# KiCad board forti GND v2.kicad_pcb (continued)
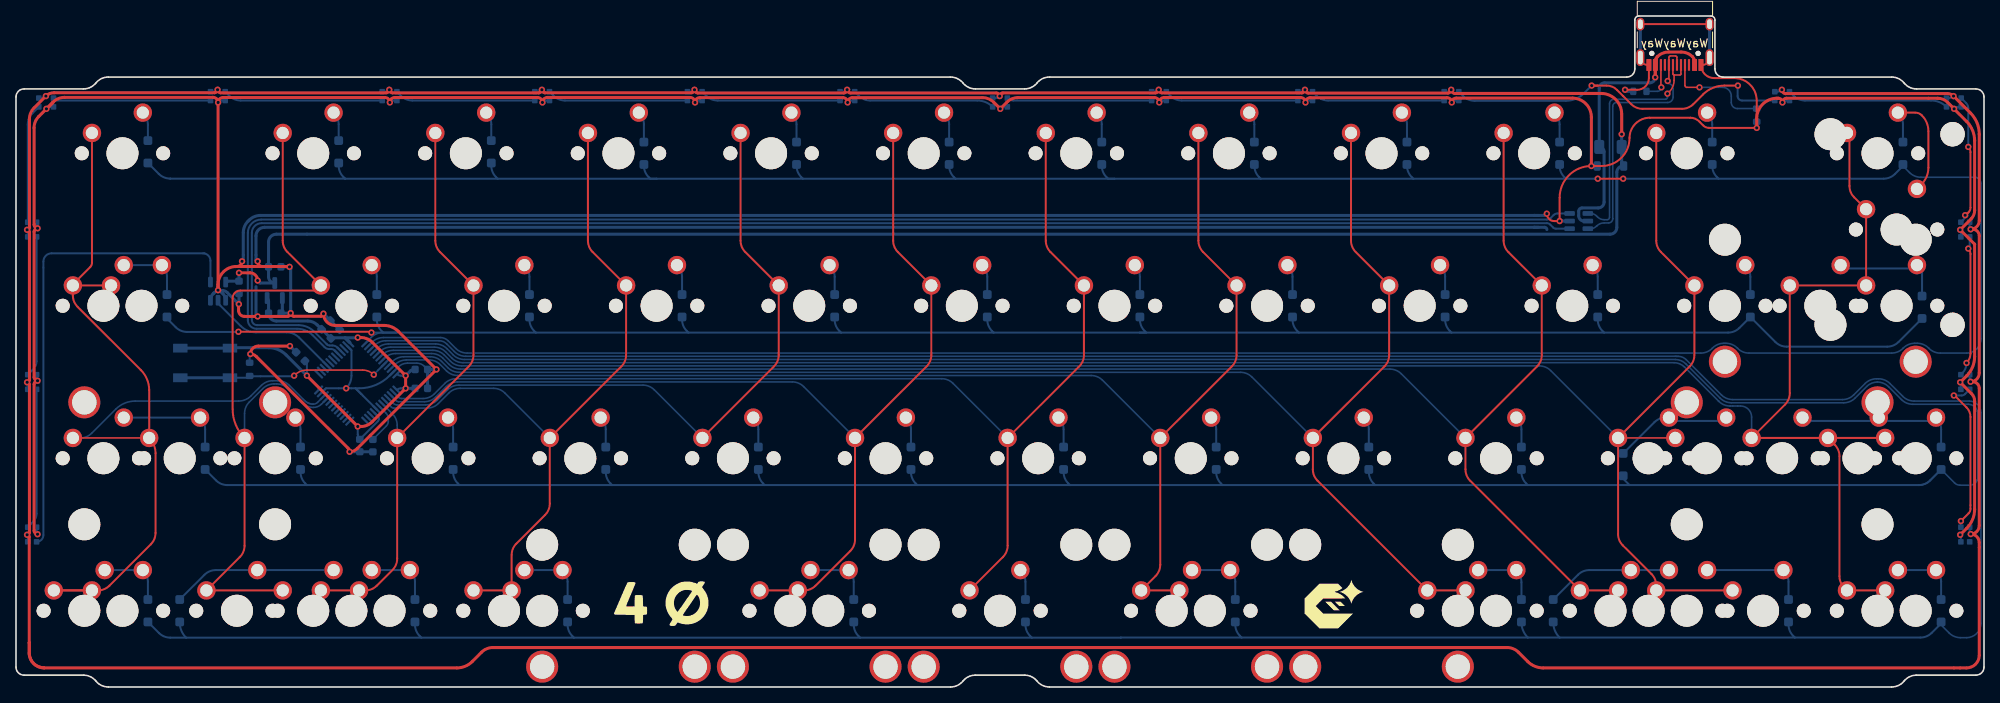
[diagram p0: board, top side]
## Routing (per net, layer and track width the routed paths; a pad name or vN(x,y) marks a point on that pad's centre or on a via; arc(x,y) is an arc through that point) (continued)
GND: length 941.3
  Top w0.25: v1(200.85,74.61) 202.35,74.61 arc(203.39,75.04) 203.83,76.08 J1.A12 203.67,77.71 arc(203.02,77.98) J1.S1 ; J1.S1 J1.S1 ; v1(25.22,49.57) 25.22,50.15 ; J1.S1 arc(211.13,77.98) 210.48,77.71 J1.A1 arc(210.81,76.55) 211.97,76.07 214.47,76.07 arc(216.46,75.25) 217.28,73.26 v1(217.28,69.85) 211.32,69.85 arc(210.94,69.93) 210.62,70.14 210.11,70.65 arc(209.59,71) 208.97,71.12 203.95,71.12 arc(202.15,70.38) 201.41,68.58 arc(200.38,66.11) 197.91,65.09 v1(196.64,65.09) arc(193.84,63.93) 192.68,61.12 v1(192.68,58.21) 192,58.21 arc(191.35,58.48) v1(191.08,59.13)
  Top w0.381: 30.75,52.53 34.1,52.53 v1(34.14,52.49) ; 30.75,52.53 27.58,52.53 ; 30.75,52.53 arc(30.33,52.7) 30.16,53.12 v1(30.16,53.18) ; v1(196.64,65.09) 196.64,71.19 arc(195.95,72.87) 194.26,73.57 179.76,73.57 arc(179.37,73.41) v1(179.22,73.03) arc(179.04,73.44) 178.63,73.61 161.55,73.61 arc(161.13,73.44) v1(160.96,73.03) arc(160.78,73.46) 160.34,73.64 143.32,73.64 arc(142.88,73.46) v1(142.7,73.03) arc(142.52,73.46) 142.09,73.64 125.09,73.64 arc(124.33,73.48) 123.68,73.05 v1(122.86,72.23) 122.05,73.04 arc(121.4,73.47) 120.64,73.63 104.41,73.63 arc(103.99,73.45) v1(103.81,73.03) arc(103.63,73.45) 103.21,73.63 85.36,73.63 arc(84.94,73.45) v1(84.76,73.03) ; 4.57,73.01 4.64,73.08 arc(5.29,73.51) 6.06,73.66 24.59,73.66 arc(25.04,73.48) v1(25.23,73.03) ; 4.57,73.01 v1(3.8,72.23) ; 4.57,73.01 2.84,71.27 arc(2.4,70.62) 2.25,69.86 2.25,57.75 arc(2.38,57.44) v1(2.69,57.31) arc(2.38,57.18) 2.26,56.87 2.26,38.69 arc(2.38,38.38) v1(2.69,38.26) arc(2.38,38.13) 2.25,37.82 2.25,19.52 arc(2.38,19.21) v1(2.69,19.08) ; v1(84.76,73.03) 84.72,73.06 ; v1(84.76,73.03) arc(84.58,73.46) 84.14,73.65 83.31,73.65 83.31,73.65 66.33,73.65 arc(65.89,73.47) v1(65.71,73.03) arc(65.53,73.46) 65.09,73.64 47.28,73.64 arc(46.84,73.46) v1(46.66,73.03) ; 25.22,50.01 25.22,50.25 arc(25.89,51.86) 27.5,52.53 27.58,52.53 ; 25.22,50.01 25.22,73 arc(25.22,73.01) v1(25.23,73.03) ; 25.22,50.01 v1(25.22,49.57) ; 27.58,52.53 arc(28.03,52.72) 28.21,53.17 v1(28.21,53.18) ; v1(46.66,73.03) 46.63,73.06 ; v1(46.66,73.03) arc(46.48,73.46) 46.04,73.64 45.22,73.64 45.21,73.64 25.85,73.64 arc(25.41,73.46) v1(25.23,73.03) ; v1(242.68,19.02) 243.49,19.83 arc(244.22,20.92) 244.48,22.21 244.48,35.72 arc(244.38,36.22) 244.1,36.65 v1(242.68,38.07) 243.49,38.88 arc(244.22,39.97) 244.48,41.26 244.48,55.32 v1(242.68,57.12) 244.05,58.48 arc(244.37,58.96) 244.48,59.53 244.48,68.24 arc(244.22,69.54) 243.48,70.65 241.94,72.19 arc(241.93,72.21) v1(241.92,72.23) 241.11,73.04 arc(240.55,73.42) 239.88,73.55 221.02,73.55 arc(220.64,73.4) v1(220.49,73.03) arc(220.34,73.4) 219.97,73.55 219.82,73.55 arc(218.02,72.81) 217.28,71.01 v1(217.28,69.85) ; v1(34.19,42.59) 30.25,42.59 arc(29.54,42.3) v1(29.25,41.6) 29.26,41.6 arc(29.65,41.52) 29.98,41.3 41.46,29.82 arc(41.59,29.62) v1(41.64,29.39) arc(42.15,29.49) 42.58,29.78 v1(52.48,39.67) 47.72,44.43 arc(46.9,44.98) 45.94,45.17 39.84,45.17 arc(38.81,45.6) v1(38.38,46.63) arc(38.28,46.4) 38.05,46.31 34.68,46.31 arc(34.4,46.43) v1(34.28,46.71) 34.28,46.69 arc(34.17,46.41) 33.89,46.3 28.51,46.3 arc(27.99,46.51) 27.78,47.03 27.78,47.79 arc(27.79,47.82) v1(27.81,47.83)
  Bottom w0.2: C6.2 50.97,40.07 arc(50.54,40.35) 50.03,40.46 48.85,40.46 arc(48.24,40.34) 47.73,39.99 U2.47 46.65,38.91
  Bottom w0.25: 42.38,37.32 42.52,37.17 ; 42.38,37.32 42.84,37.32 arc(44.88,37.72) 46.62,38.88 U2.47 ; 42.38,37.32 38.69,37.32 U2.23 ; 42.52,37.17 U2.8 ; 42.52,37.17 43.1,36.6 43.1,36.59 ; 4.68,72.47 4.39,72.47 arc(4.07,72.41) v1(3.8,72.23) ; LED12.2 161.55,73.27 arc(161.23,73.21) v1(160.96,73.03) ; v1(29.25,41.6) 29.16,41.51 R3.2 ; LED17.2 242.77,37.86 arc(242.74,37.97) v1(242.68,38.07) ; 242.77,56.23 242.77,56.91 arc(242.74,57.02) v1(242.68,57.12) ; LED18.2 242.77,18.81 arc(242.74,18.92) v1(242.68,19.02) ; LED13.2 179.8,73.27 arc(179.49,73.21) v1(179.22,73.03) ; LED3.2 2.57,57.61 arc(2.6,57.44) v1(2.69,57.31) ; LED14.2 221.08,73.27 arc(220.76,73.21) v1(220.49,73.03) ; LED7.2 66.3,73.27 arc(65.98,73.21) v1(65.71,73.03) ; 242.8,72.47 242.51,72.47 arc(242.19,72.41) v1(241.92,72.23) ; LED6.2 47.25,73.27 arc(46.93,73.21) v1(46.66,73.03) ; 2.57,39.02 2.57,38.56 arc(2.6,38.39) v1(2.69,38.26) ; U2.35 41.87,42.07 41.87,38.9 arc(41.7,38.04) v1(41.21,37.31) ; 123.74,72.47 123.45,72.47 arc(123.13,72.41) v1(122.86,72.23) ; LED8.2 85.35,73.27 arc(85.03,73.21) v1(84.76,73.03) ; LED11.2 143.29,73.27 arc(142.97,73.21) v1(142.7,73.03) ; LED1.2 2.57,19.38 arc(2.6,19.22) v1(2.69,19.08) ; LED5.2 25.82,73.27 arc(25.5,73.21) v1(25.23,73.03) ; LED9.2 104.4,73.27 arc(104.08,73.21) v1(103.81,73.03)
  Bottom w0.381: U1.2 v1(192.68,58.21) ; C8.2 C6.2 52.47,39.67 v1(52.48,39.67) ; 211.4,78.58 211.4,82.76 ; C1.1 34.14,52.49 v1(34.14,52.49) arc(34.25,52.33) 34.28,52.15 v1(34.28,46.71) 34.27,46.7 C2.1 33.25,46.87 U3.1 ; 189.5,58.91 30.52,58.91 arc(29.75,58.76) 29.1,58.33 28.95,58.18 arc(28.52,57.53) 28.37,56.76 28.37,53.34 arc(28.32,53.23) v1(28.21,53.18) ; 189.5,58.91 190.05,58.91 ; 189.5,58.91 190.86,58.91 arc(191.02,58.98) v1(191.08,59.13) ; 202.76,78.58 202.76,82.76 ; 190.02,57.43 189.5,57.43 ; 189.5,57.43 31.02,57.43 arc(30.27,57.11) 29.95,56.36 29.95,53.39 arc(30.01,53.24) v1(30.16,53.18) ; 189.5,57.43 190.81,57.43 arc(191.01,57.35) 191.09,57.15 ; C10.1 27.83,47.84 v1(27.81,47.83) 26.37,49.27 arc(26.08,49.47) 25.74,49.53 25.26,49.53 v1(25.22,49.57) 25.22,49.45 ; v1(34.19,42.59) 34.96,41.82 C4.2 ; 29.96,50.01 29.96,46.5 arc(30.02,46.36) v1(30.16,46.3) ; R1.2 v1(217.28,69.85) ; C5.2 40.37,44.65 C3.2 39.23,45.78 v1(38.38,46.63) ; D_PWR1.2 v1(196.64,65.09) ; 25.22,49.45 arc(24.95,49.4) 24.72,49.25 24.61,49.13 arc(24.36,48.75) U4.3 ; 25.22,49.45 arc(25.49,49.4) 25.71,49.25 25.83,49.13 arc(26.08,48.75) U4.1 ; R2.2 201.04,74.41 arc(200.9,74.47) v1(200.85,74.61) arc(200.85,74.61) 200.85,74.61 ; C9.2 44.53,29.39 C7.2 41.64,29.39 arc(41.64,29.39) v1(41.64,29.39)
VBUS: length 39.2
  Top w0.381: 209.53,77.68 209.53,78.12 arc(209.46,78.45) 209.27,78.74 arc(208.62,79.17) 207.85,79.32 206.3,79.32 arc(205.53,79.17) 204.88,78.74 ; 204.63,77.92 204.63,76.17 v1(204.61,76.16) 204.61,78.09 arc(204.68,78.44) 204.88,78.74 ; 204.88,78.74 arc(204.69,78.45) 204.63,78.12
  Bottom w0.381: U1.5 195.72,58.21 arc(195.26,58.4) 195.06,58.87 195.06,59.45 arc(195.18,59.73) 195.46,59.85 197.5,59.85 arc(198.02,60.06) 198.23,60.58 198.23,66.86 arc(198.05,67.29) F1.1 197.63,74.8 arc(197.82,75.28) 198.3,75.48 203.93,75.48 arc(204.41,75.68) v1(204.61,76.16)
/CC1: length 13.5
  Top w0.2: v1(210.14,74.91) 208.55,74.91 arc(208.39,74.98) 208.33,75.14 208.33,77.68
  Bottom w0.2: v1(210.14,74.91) 213.01,74.91 arc(213.79,74.59) 214.11,73.82 214.11,73.03 arc(214.33,72.49) 214.87,72.26 R1.1
/CC2: length 4.9
  Top w0.2: v1(205.38,74.91) 205.33,74.96 205.33,77.68
  Bottom w0.2: R2.1 204.88,74.41 arc(205.23,74.56) v1(205.38,74.91)
BOOT0: length 26.8
  Top w0.2: v1(34.72,38.89) 34.79,38.97 arc(35.49,39.43) 36.31,39.59 43.27,39.59 arc(44.02,39.44) v1(44.66,39.02)
  Bottom w0.2: 45.17,39.55 44.66,39.04 v1(44.66,39.02)
  Bottom w0.25: v1(34.72,38.89) 34.64,38.82 29.21,38.82 R3.1 28.93,38.63 SW1.2 ; 45.17,39.55 U2.44
  Bottom w0.381: SW1.2 SW1.2
COL0: length 125.3
  Top w0.2: MX25.1 MXshift2.1.1
  Top w0.25: 7.1,50.17 11.86,50.17 ; 7.1,50.17 7.1,48.91 arc(7.25,48.15) 7.68,47.5 15.58,39.6 arc(16.35,38.45) 16.62,37.09 MXshift2.1.1 arc(17.21,30.24) 17.42,29.2 17.42,19.24 arc(17.26,18.48) 16.83,17.83 11.65,12.65 arc(11,12.22) 10.24,12.06 MX39.1 MX40.1 ; 7.1,50.17 arc(7.12,50.29) 7.19,50.39 9.25,52.45 arc(9.42,52.7) 9.48,53 MX1.1
  Bottom w0.2: U2.22 37.64,35.56 arc(37.39,35.39) 37.1,35.34 37.01,35.34 36.82,35.36 36.62,35.41 36.43,35.49 36.25,35.6 36.08,35.73 35.88,35.92 ; MX25.1 8.03,31.12 arc(8.79,31.27) 9.44,31.7 12.46,34.72 arc(13.57,35.46) 14.88,35.72 27.77,35.72 arc(28.61,35.88) 29.32,36.36 30.63,37.67 arc(31.28,38.11) 32.05,38.26 32.71,38.26 arc(33.47,38.11) 34.12,37.67 35.89,35.91
COL1: length 97.8
  Top w0.25: MX42.1 MX41.1 27.94,16.24 arc(28.38,16.89) 28.53,17.66 MX26.1 arc(27.43,32.76) 27.04,34.71 27.04,48.56 arc(27.32,49.25) 28.01,49.53 37.42,49.53 arc(37.87,49.72) 38.05,50.17 33.88,54.34 arc(33.44,54.99) 33.29,55.76 MX2.1
  Bottom w0.2: MX26.1 28.53,34.17 arc(28.68,34.94) 29.11,35.59 30.8,37.27 arc(31.45,37.71) 32.21,37.86 32.54,37.86 arc(33.31,37.71) 33.96,37.27 35.72,35.51 arc(36.37,35.08) 37.13,34.92 arc(37.67,35.03) 38.12,35.33 U2.21
COL2: length 75.3
  Top w0.25: MX44.1 MX43.1 43.61,12.06 arc(44.38,12.22) 45.03,12.65 46.99,14.62 arc(47.43,15.26) 47.58,16.03 MX27.1 56.52,40.05 arc(56.95,40.7) 57.1,41.47 57.1,50.17 52.93,54.34 arc(52.49,54.99) 52.34,55.76 MX3.1
  Bottom w0.2: MX27.1 47.58,32.7 arc(47.43,33.47) 46.99,34.12 U2.6
COL3: length 93.6
  Top w0.25: MX4.1 71.39,55.76 arc(71.54,54.99) 71.98,54.34 76.15,50.17 76.15,41.47 arc(76,40.7) 75.57,40.05 MX28.1 66.63,22.91 arc(66.48,22.15) 66.04,21.5 62.45,17.91 arc(62.02,17.26) 61.87,16.49 MX45.1 MX46.1
  Bottom w0.2: MX28.1 61.01,36.73 arc(60.37,37.16) 59.6,37.31 55.44,37.31 arc(54.68,37.16) 54.03,36.73 52.73,35.42 arc(52.08,34.99) 51.31,34.84 47.13,34.84 arc(46.99,34.87) 46.87,34.95 U2.5
COL4: length 86.8
  Top w0.25: MX5.1 90.44,55.76 arc(90.59,54.99) 91.03,54.34 95.2,50.17 95.2,41.47 arc(95.05,40.7) 94.62,40.05 MX29.1
  Bottom w0.2: MX29.1 79.66,37.13 arc(79.02,37.56) 78.25,37.71 55.28,37.71 arc(54.51,37.56) 53.86,37.13 52.56,35.82 arc(51.91,35.39) 51.15,35.24 47.57,35.24 arc(47.31,35.29) 47.08,35.44 U2.4
COL5: length 133.3
  Top w0.25: MXsplit2.25(1)1.1 MXsplit2.1.1 98.38,12.06 arc(99.15,12.22) 99.8,12.65 104.14,17 arc(104.58,17.65) 104.73,18.41 MX30.1 113.67,40.05 arc(114.1,40.7) 114.25,41.47 114.25,50.17 110.08,54.34 arc(109.64,54.99) 109.49,55.76 MX6.1
  Bottom w0.2: U2.3 47.49,35.74 arc(47.6,35.67) 47.74,35.64 50.98,35.64 arc(51.75,35.79) 52.39,36.22 53.7,37.53 arc(54.35,37.96) 55.11,38.11 96.9,38.11 arc(97.67,37.96) 98.31,37.53 MX30.1
COL6: length 145.5
  Top w0.25: MX47.1 123.19,16.24 arc(123.63,16.89) 123.78,17.66 MX31.1 132.72,40.05 arc(133.15,40.7) 133.3,41.47 133.3,50.17 129.13,54.34 arc(128.69,54.99) 128.54,55.76 MX7.1
  Bottom w0.2: MX31.1 116.96,37.93 arc(116.32,38.36) 115.55,38.51 54.95,38.51 arc(54.18,38.36) 53.53,37.93 52.23,36.62 arc(51.58,36.19) 50.81,36.04 48.09,36.04 arc(47.92,36.07) 47.78,36.17 47.21,36.74 arc(47.2,36.75) U2.2
COL7: length 168.7
  Top w0.25: MX8.1 147.59,55.76 arc(147.74,54.99) 148.18,54.34 152.35,50.17 152.35,41.47 arc(152.2,40.7) 151.77,40.05 MX32.1 142.83,15.27 arc(142.68,14.51) 142.24,13.86 MXsplit2.75(1)1.1 MXsplit2.2.1
  Bottom w0.2: MX32.1 135.61,38.33 arc(134.97,38.76) 134.2,38.91 55.14,38.91 arc(54.38,39.07) 53.73,39.5 52.96,40.27 arc(52.31,40.7) 51.54,40.86 48.72,40.86 arc(47.95,40.7) 47.3,40.27 U2.46
COL8: length 193.2
  Top w0.25: MX49.1 MX48.1 162.46,25.77 arc(162.03,26.42) 161.88,27.18 MX33.1 170.82,40.05 arc(171.25,40.7) 171.4,41.47 171.4,50.17 167.23,54.34 arc(166.79,54.99) 166.64,55.76 MX9.1
  Bottom w0.2: U2.45 46.99,40.67 arc(47.64,41.1) 48.41,41.26 51.71,41.26 arc(52.47,41.1) 53.12,40.67 53.89,39.9 arc(54.54,39.47) 55.31,39.31 152.85,39.31 arc(153.62,39.16) 154.26,38.73 MX33.1
COL9: length 213
  Top w0.25: MX10.1 185.69,55.76 arc(185.84,54.99) 186.28,54.34 190.45,50.17 190.45,41.47 arc(190.3,40.7) 189.87,40.05 MX34.1 180.93,27.18 arc(181.08,26.42) 181.51,25.77 MX50.1 MX51.1
  Bottom w0.2: MX34.1 172.91,39.13 arc(172.27,39.56) 171.5,39.71 55.47,39.71 arc(54.71,39.87) 54.06,40.3 53.29,41.07 arc(52.64,41.5) 51.87,41.66 47.39,41.66 arc(46.63,41.5) 45.98,41.07 U2.43
COL10: length 240.5
  Top w0.2: MX35.1 MX36.1
  Top w0.25: MX11.1 204.74,55.76 arc(204.89,54.99) 205.33,54.34 209.5,50.17 209.5,41.47 arc(209.35,40.7) 208.92,40.05 MX35.1 199.98,19.11 arc(200.13,18.34) 200.56,17.69 204.15,14.1 arc(204.59,13.45) 204.74,12.69 MX53.1 MX52.1
  Bottom w0.2: MX35.1 191.56,39.53 arc(190.92,39.96) 190.15,40.11 55.64,40.11 arc(54.87,40.27) 54.23,40.7 53.45,41.47 arc(52.81,41.9) 52.04,42.06 47.09,42.06 arc(46.32,41.9) 45.67,41.47 U2.42
COL11: length 269.5
  Top w0.25: MX37.1 MXshift2.2.1 220.82,35.29 arc(221.26,35.94) 221.41,36.71 221.41,50.17 230.93,50.17 MXISO1.1 229.44,61.18 arc(229.01,61.83) 228.86,62.59 228.86,69.22 ; MX37.1 227.03,30.26 arc(227.46,29.61) 227.61,28.85 227.61,13.83 arc(227.76,13.07) 228.2,12.42 MX55.1 MX54.1 ; MX37.1 MX38.1
  Bottom w0.2: MXshift2.2.1 216.65,33.72 arc(216.24,34.7) 215.26,35.11 214.9,35.11 214.9,35.1 214.29,35.1 214.29,35.1 213.96,35.1 213.96,35.1 arc(213.2,35.25) 212.55,35.69 212.52,35.72 208.26,39.98 arc(207.66,40.37) 206.96,40.51 55.81,40.51 arc(55.04,40.67) 54.39,41.1 53.62,41.87 arc(52.97,42.3) 52.21,42.46 46.78,42.46 arc(46.01,42.3) 45.37,41.87 U2.41
D_N: length 190.1
  Bottom w0.25: U2.32 39.77,42.05 arc(39.58,42.17) 39.37,42.22 39.11,42.22 arc(38.79,42.28) 38.51,42.46 ; 38.5,42.47 37.02,43.95 arc(36.13,44.55) 35.09,44.75 30.02,44.75 arc(29.26,45.07) 28.94,45.84 28.94,56.73 arc(29.43,57.91) 30.61,58.4 191.09,58.4 arc(191.35,58.45) 191.57,58.6 191.93,58.96 arc(192.15,59.11) 192.41,59.16 U1.3
D_P: length 189
  Bottom w0.25: U1.1 192.22,57.26 arc(192.03,57.29) 191.87,57.4 191.5,57.77 arc(191.31,57.9) 191.08,57.94 30.66,57.94 arc(29.79,57.59) 29.44,56.72 29.44,45.87 arc(29.63,45.4) 30.1,45.2 35.26,45.2 arc(36.32,44.99) 37.22,44.39 38.81,42.8 arc(38.96,42.7) 39.13,42.67 39.48,42.67 arc(39.83,42.6) 40.12,42.4 U2.33
D_USB_N: length 31.4
  Top w0.2: 206.96,76.45 206.96,75.77 arc(206.81,75.01) 206.38,74.36 v1(206.14,74.12) ; 206.96,76.45 207.71,76.45 arc(207.79,76.49) 207.83,76.57 207.83,77.68 ; 206.96,76.45 arc(206.87,76.5) 206.83,76.59 206.83,77.68
  Bottom w0.2: U1.4 196.53,59.16 arc(196.94,59.08) 197.29,58.85 197.42,58.72 arc(197.79,58.47) 198.24,58.38 198.61,58.38 arc(198.82,58.47) 198.91,58.68 198.91,72.86 arc(199.08,73.26) 199.48,73.43 205.89,73.43 arc(206.07,73.5) 206.14,73.67 v1(206.14,74.12)
D_USB_P: length 33.6
  Top w0.2: 207.33,77.68 207.33,78.65 arc(207.27,78.78) 207.15,78.83 206.5,78.83 arc(206.38,78.78) 206.33,78.65 206.33,75.86 v1(206.17,75.71)
  Bottom w0.2: 196.69,57.26 U1.6 196.53,57.26 arc(196.94,57.34) 197.29,57.57 197.31,57.59 arc(197.73,57.88) 198.24,57.98 198.79,57.98 arc(199.16,58.13) 199.31,58.5 199.31,72.55 arc(199.45,72.88) 199.78,73.02 206.16,73.02 arc(206.64,73.22) 206.84,73.7 206.84,74.73 arc(206.64,75.21) 206.17,75.41
NRST: length 5.2
  Bottom w0.2: U2.7 46.19,34.22 arc(46.39,33.91) 46.47,33.54 46.47,33.18 arc(46.4,32.87) 46.23,32.61 C9.1
RGB MCU: length 17
  Bottom w0.25: U2.28 35.33,43.66 arc(34.61,44.14) 33.77,44.3 29.96,44.3 arc(28.93,44.51) 28.05,45.09 25.49,47.66 arc(25.29,47.96) U4.2
rgb underglow: length 60.3
  Bottom w0.25: 23.54,54.18 4.45,54.18 arc(3.72,53.88) 3.42,53.15 3.42,18.98 arc(3.17,18.38) LED1.3 ; U4.4 24.27,53.25 arc(23.99,53.91) 23.34,54.18
ROW0: length 477.4
  Top w0.25: v1(197.44,63.5) v1(200.61,63.5)
  Bottom w0.2: D12.1 235.54,65.09 236.36,64.27 arc(237.01,63.83) 237.77,63.68 244.5,63.68 arc(245.05,63.45) 245.28,62.91 245.28,43.52 arc(244.75,42.24) 243.48,41.71 240.2,41.71 arc(239.43,41.87) 238.78,42.3 238.73,42.35 arc(238.08,42.79) 237.32,42.94 237,42.94 arc(236.24,42.79) 235.59,42.35 235.53,42.3 arc(234.88,41.87) 234.12,41.71 216.32,41.71 arc(215.55,41.87) 214.91,42.3 214.85,42.35 arc(214.2,42.79) 213.44,42.94 213.19,42.94 arc(212.42,42.79) 211.77,42.35 211.72,42.3 arc(211.07,41.87) 210.31,41.71 56.3,41.71 arc(55.54,41.87) 54.89,42.3 53.93,43.26 arc(53.49,43.55) 52.98,43.66 45.86,43.66 arc(45.09,43.5) 44.44,43.07 U2.38
  Bottom w0.25: 98.22,63.5 117.27,63.5 ; 98.22,63.5 79.96,63.5 ; 98.22,63.5 98.01,63.71 arc(97.58,64.36) 97.43,65.12 D5.1 ; 117.27,63.5 137.11,63.5 ; 117.27,63.5 117.06,63.71 arc(116.63,64.36) 116.48,65.12 D6.1 ; 155.37,63.5 174.42,63.5 ; 155.37,63.5 155.16,63.71 arc(154.73,64.36) 154.58,65.12 D8.1 ; 155.37,63.5 137.11,63.5 ; 174.42,63.5 193.47,63.5 ; 174.42,63.5 174.21,63.71 arc(173.78,64.36) 173.63,65.12 D9.1 ; D3.1 59.33,65.12 arc(59.48,64.36) 59.91,63.71 60.12,63.5 ; D4.1 78.38,65.12 arc(78.53,64.36) 78.96,63.71 79.17,63.5 79.96,63.5 ; 41.07,63.51 19.25,63.51 19.24,63.51 arc(18.48,63.66) 17.83,64.1 D1.1 ; 41.07,63.51 41.08,63.5 60.12,63.5 ; 41.07,63.51 40.86,63.72 arc(40.43,64.37) 40.28,65.13 D2.1 ; 137.11,63.5 136.32,63.5 136.11,63.71 arc(135.68,64.36) 135.53,65.12 D7.1 ; 193.47,63.5 v1(197.44,63.5) ; 193.47,63.5 193.26,63.71 arc(192.83,64.36) 192.68,65.12 D10.1 ; 235.54,65.09 234.54,64.09 arc(233.89,63.65) 233.12,63.5 212.52,63.5 ; v1(200.61,63.5) 212.52,63.5 ; 212.52,63.5 212.31,63.71 arc(211.88,64.36) 211.73,65.12 D11.1 ; 60.12,63.5 79.96,63.5
ROW1: length 248
  Top w0.25: v1(44.36,44.27) 44.26,44.38 27.77,44.38 arc(27.77,44.38) v1(27.76,44.38)
  Bottom w0.2: U2.37 44.36,43.69 arc(45.01,44.12) 45.77,44.27 45.83,44.27
  Bottom w0.25: 160.13,44.27 179.18,44.27 ; 160.13,44.27 159.92,44.48 arc(159.49,45.13) 159.34,45.9 D20.1 ; 160.13,44.27 140.29,44.27 ; 179.18,44.27 198.23,44.27 ; 179.18,44.27 178.97,44.48 arc(178.54,45.13) 178.39,45.9 D21.1 ; 83.93,44.27 102.98,44.27 ; 83.93,44.27 64.88,44.27 ; 83.93,44.27 83.72,44.48 arc(83.29,45.13) 83.14,45.9 D16.1 ; 102.98,44.27 102.77,44.48 arc(102.34,45.13) 102.19,45.9 D17.1 ; 102.98,44.27 122.03,44.27 ; 198.23,44.27 213.71,44.27 arc(214.47,44.43) 215.12,44.86 D23.1 219.61,43.1 arc(220.26,42.67) 221.03,42.52 233.57,42.52 arc(234.33,42.67) 234.98,43.1 D24.1 ; 198.23,44.27 198.02,44.48 arc(197.59,45.13) 197.44,45.9 D22.1 ; 122.03,44.27 121.82,44.48 arc(121.39,45.13) 121.24,45.9 D18.1 ; 122.03,44.27 140.29,44.27 ; 64.88,44.27 64.67,44.48 arc(64.24,45.13) 64.09,45.9 D15.1 ; 64.88,44.27 47.42,44.27 ; 18.84,46.04 19.94,44.94 arc(20.59,44.51) 21.35,44.36 27.71,44.36 arc(27.74,44.36) v1(27.76,44.38) ; 140.29,44.27 141.08,44.27 140.87,44.48 arc(140.44,45.13) 140.29,45.9 D19.1 ; 47.42,44.27 v1(44.36,44.27) ; 47.42,44.27 45.83,44.27 45.62,44.48 arc(45.19,45.13) 45.04,45.9 D14.1
ROW2: length 462.5
  Bottom w0.2: U2.40 45.06,42.27 arc(45.71,42.7) 46.47,42.86 52.37,42.86 arc(53.14,42.7) 53.79,42.27 54.56,41.5 arc(55.21,41.07) 55.97,40.91 207.11,40.91 arc(207.83,40.77) 208.44,40.37 212.71,36.09 arc(213.36,35.66) 214.13,35.51 228.15,35.51 arc(228.91,35.66) 229.56,36.09 231.01,37.54 arc(231.63,37.95) 232.36,38.1 ; 237.51,25.21 arc(238.27,25.36) 238.92,25.8 D36.1 241.98,25.49 arc(242.29,25.29) 242.66,25.21 243.89,25.21 arc(244.58,25.5) 244.87,26.19 244.87,34.13 arc(244.52,34.97) 243.68,35.32 236.77,35.32 arc(236,35.47) 235.35,35.9 233.74,37.51 arc(233.09,37.95) 232.33,38.1
  Bottom w0.25: 93.46,25.22 112.51,25.22 ; 93.46,25.22 74.41,25.22 ; 93.46,25.22 93.25,25.43 arc(92.81,26.08) 92.66,26.85 D29.1 ; 112.51,25.22 131.56,25.22 ; 112.51,25.22 112.3,25.43 arc(111.86,26.08) 111.71,26.85 D30.1 ; D28.1 73.61,26.85 arc(73.76,26.08) 74.2,25.43 74.41,25.22 ; 36.31,25.22 55.36,25.22 ; 36.31,25.22 36.1,25.43 arc(35.66,26.08) 35.51,26.85 D26.1 ; 36.31,25.22 arc(36.3,25.22) 36.3,25.22 26.38,25.22 arc(25.62,25.37) 24.97,25.81 23.59,27.18 ; 55.36,25.22 74.41,25.22 ; 55.36,25.22 55.15,25.43 arc(54.71,26.08) 54.56,26.85 D27.1 ; 150.61,25.22 169.66,25.22 ; 150.61,25.22 131.56,25.22 ; 150.61,25.22 150.4,25.43 arc(149.96,26.08) 149.81,26.85 D32.1 ; 169.66,25.22 169.45,25.43 arc(169.01,26.08) 168.86,26.85 D33.1 ; 169.66,25.22 188.71,25.22 ; D36.1 238.94,25.81 arc(238.29,25.38) 237.52,25.22 201.41,25.22 ; 131.56,25.22 131.35,25.43 arc(130.91,26.08) 130.76,26.85 D31.1 ; D35.1 200.61,26.02 201.41,25.22 ; D34.1 187.91,26.85 arc(188.06,26.08) 188.5,25.43 188.71,25.22 ; 188.71,25.22 201.41,25.22
ROW3: length 484.7
  Bottom w0.2: U2.39 44.75,42.67 arc(45.4,43.1) 46.17,43.26 52.8,43.26 arc(53.32,43.15) 53.76,42.86 54.72,41.9 arc(55.37,41.47) 56.14,41.31 207.11,41.31 207.26,41.31 207.46,41.31 arc(208.01,41.2) 208.48,40.89 212.88,36.49 arc(213.53,36.06) 214.29,35.91 227.98,35.91 arc(228.75,36.06) 229.39,36.49 230.82,37.91 arc(231.47,38.35) 232.23,38.5 232.49,38.5 arc(233.26,38.35) 233.91,37.91 235.52,36.3 arc(236.17,35.87) 236.93,35.72 243.82,35.72 arc(244.84,35.29) 245.27,34.27 245.27,7.96 arc(244.74,6.69) 243.48,6.16 242.72,6.16 arc(241.95,6.31) 241.3,6.75 240.3,7.75 240.3,7.94
  Bottom w0.25: D37.1 17.84,6.75 arc(18.49,6.31) 19.25,6.16 21.23,6.16 ; 50.59,6.16 50.39,6.37 arc(49.95,7.02) 49.8,7.78 D39.1 ; 50.59,6.16 21.23,6.16 ; 50.59,6.16 69.64,6.16 ; 192.68,6.17 222.04,6.17 ; 192.68,6.17 188.71,6.17 ; 192.68,6.17 arc(192.09,7.05) 191.88,8.09 D45.1 ; 222.04,6.17 221.84,6.38 arc(221.4,7.03) 221.25,7.8 D46.1 ; 222.04,6.17 237.71,6.17 arc(238.47,6.33) 239.12,6.76 240.3,7.94 ; 126.79,6.16 126.59,6.37 arc(126.15,7.02) 126,7.78 D42.1 ; 126.79,6.16 105.36,6.16 ; 126.79,6.16 137.91,6.16 137.92,6.17 152.99,6.17 ; 105.36,6.16 69.64,6.16 ; 105.36,6.16 105.15,6.37 arc(104.72,7.02) 104.57,7.78 D41.1 ; 152.99,6.17 188.71,6.17 ; 152.99,6.17 152.78,6.38 arc(152.35,7.03) 152.19,7.8 D43.1 ; 21.23,6.16 arc(20.64,7.04) 20.43,8.08 D38.1 ; 188.71,6.17 arc(188.12,7.05) 187.91,8.09 D44.1 ; D40.1 68.85,7.78 arc(69,7.02) 69.44,6.37 69.64,6.16
Net-(D1-A): length 3.7
  Bottom w0.25: D1.2 16.46,70.22 arc(16.3,71.05) MX1.2
Net-(D2-A): length 3.1
  Bottom w0.25: 40.28,68.87 40.28,70.29 arc(40.12,71.06) 39.69,71.71 MX2.2
Net-(D3-A): length 3.1
  Bottom w0.25: MX3.2 58.74,71.71 arc(59.17,71.06) 59.33,70.29 59.33,68.87
Net-(D4-A): length 3.3
  Bottom w0.25: MX4.2 77.79,71.71 arc(78.22,71.06) 78.38,70.29 78.38,68.68
Net-(D5-A): length 3.3
  Bottom w0.25: MX5.2 96.84,71.71 arc(97.27,71.06) 97.43,70.29 97.43,68.68
Net-(D6-A): length 3.3
  Bottom w0.25: MX6.2 115.89,71.71 arc(116.32,71.06) 116.48,70.29 116.48,68.68
Net-(D7-A): length 3.3
  Bottom w0.25: 135.53,68.68 135.53,70.29 arc(135.37,71.06) 134.94,71.71 MX7.2
Net-(D8-A): length 3.3
  Bottom w0.25: 154.58,68.68 154.58,70.29 arc(154.42,71.06) 153.99,71.71 MX8.2
Net-(D9-A): length 3.3
  Bottom w0.25: 173.63,68.68 173.63,70.29 arc(173.47,71.06) 173.04,71.71 MX9.2
Net-(D10-A): length 3.3
  Bottom w0.25: MX10.2 192.09,71.71 arc(192.52,71.06) 192.68,70.29 192.68,68.68
Net-(D11-A): length 3.3
  Bottom w0.25: 211.73,68.68 211.73,70.29 arc(211.57,71.06) 211.14,71.71 MX11.2
Net-(D12-A): length 16.2
  Top w0.25: MXISO1.2 237.84,62.79 arc(238.49,63.75) 238.71,64.89 238.71,69.43 arc(238.5,70.5) 237.89,71.41 arc(237.51,71.67) 237.06,71.75 MX12.2
  Bottom w0.25: 235.54,68.68 235.54,70.29 arc(235.39,71.06) 234.95,71.71 MX12.2
Net-(D13-A): length 8.6
  Bottom w0.25: 13.45,52.71 18.21,52.71 18.26,52.66 arc(18.69,52.01) 18.84,51.24 18.84,49.03
Net-(D14-A): length 3.9
  Bottom w0.25: 44.4,52.71 44.45,52.66 arc(44.89,52.01) 45.04,51.24 45.04,49.03
Net-(D15-A): length 3.9
  Bottom w0.25: 64.09,49.03 64.09,51.24 arc(63.94,52.01) 63.5,52.66 63.45,52.71
Net-(D16-A): length 3.9
  Bottom w0.25: 82.5,52.71 82.55,52.66 arc(82.99,52.01) 83.14,51.24 83.14,49.03
Net-(D17-A): length 3.9
  Bottom w0.25: 101.55,52.71 101.6,52.66 arc(102.04,52.01) 102.19,51.24 102.19,49.03
Net-(D18-A): length 3.9
  Bottom w0.25: 120.6,52.71 120.65,52.66 arc(121.09,52.01) 121.24,51.24 121.24,49.03
Net-(D19-A): length 3.9
  Bottom w0.25: 140.29,49.03 140.29,51.24 arc(140.14,52.01) 139.7,52.66 139.65,52.71
Net-(D20-A): length 3.9
  Bottom w0.25: 159.34,49.03 159.34,51.24 arc(159.19,52.01) 158.75,52.66 158.7,52.71
Net-(D21-A): length 3.9
  Bottom w0.25: 178.39,49.03 178.39,51.24 arc(178.24,52.01) 177.8,52.66 177.75,52.71
Net-(D22-A): length 3.9
  Bottom w0.25: 196.8,52.71 196.85,52.66 arc(197.29,52.01) 197.44,51.24 197.44,49.03
Net-(D23-A): length 3.9
  Bottom w0.25: 216.49,49.03 216.49,51.24 arc(216.34,52.01) 215.9,52.66 215.85,52.71
Net-(D24-A): length 14.1
  Bottom w0.25: D24.2 237.92,52.07 237.7,52.29 ; 237.7,52.29 228.18,52.29 227.76,52.71 ; 237.7,52.29 237.28,52.29
Net-(D25-A): length 13.4
  Bottom w0.25: MX25.2 MXshift2.1.2 23.02,33.61 arc(23.45,32.96) 23.61,32.19 D25.2
Net-(D26-A): length 3.9
  Bottom w0.25: D26.2 35.51,32.19 arc(35.36,32.96) 34.93,33.61 MX26.2
Net-(D27-A): length 3.9
  Bottom w0.25: D27.2 54.56,32.19 arc(54.41,32.96) 53.98,33.61 MX27.2
Net-(D28-A): length 3.9
  Bottom w0.25: MX28.2 73.03,33.61 arc(73.46,32.96) 73.61,32.19 D28.2
Net-(D29-A): length 3.9
  Bottom w0.25: MX29.2 92.08,33.61 arc(92.51,32.96) 92.66,32.19 D29.2
Net-(D30-A): length 3.9
  Bottom w0.25: MX30.2 111.13,33.61 arc(111.56,32.96) 111.71,32.19 D30.2
Net-(D31-A): length 3.9
  Bottom w0.25: D31.2 130.76,32.19 arc(130.61,32.96) 130.18,33.61 MX31.2
Net-(D32-A): length 3.9
  Bottom w0.25: MX32.2 149.23,33.61 arc(149.66,32.96) 149.81,32.19 D32.2
Net-(D33-A): length 3.9
  Bottom w0.25: D33.2 168.86,32.19 arc(168.71,32.96) 168.28,33.61 MX33.2
Net-(D34-A): length 3.9
  Bottom w0.25: D34.2 187.91,32.19 arc(187.76,32.96) 187.33,33.61 MX34.2
Net-(D35-A): length 15
  Bottom w0.25: D35.2 204.5,33.07 arc(205.15,33.5) 205.91,33.66 MX35.2 206.75,33.23 213.05,33.23 MX36.2
Net-(D36-A): length 20.9
  Bottom w0.25: D36.2 240.3,32.19 arc(240.15,32.96) 239.71,33.61 MX38.2 239.25,33.23 223.42,33.23 MXshift2.2.2
Net-(D37-A): length 8.6
  Bottom w0.25: MX39.2 MX40.2 15.88,14.56 arc(16.31,13.91) 16.46,13.14 D37.2
Net-(D38-A): length 20.6
  Bottom w0.25: D38.2 23.53,14.02 arc(24.17,14.45) 24.94,14.61 MX41.2 MX42.2
Net-(D39-A): length 8.6
  Bottom w0.25: MX44.2 MX43.2 49.21,14.56 arc(49.65,13.91) 49.8,13.14 D39.2
Net-(D40-A): length 8.6
  Bottom w0.25: D40.2 68.85,13.14 arc(68.7,13.91) 68.26,14.56 MX45.2 MX46.2
Net-(D41-A): length 8.6
  Bottom w0.25: 99.17,14.61 MXsplit2.1.2 103.98,14.56 arc(104.42,13.91) 104.57,13.14 D41.2
Net-(D42-A): length 3.9
  Bottom w0.25: MX47.2 125.41,14.56 arc(125.85,13.91) 126,13.14 D42.2
Net-(D43-A): length 8.6
  Bottom w0.25: D43.2 152.19,13.14 arc(152.04,13.91) 151.61,14.56 MXsplit2.2.2 MXsplit2.75(1)1.2
Net-(D44-A): length 8.6
  Bottom w0.25: MX48.2 MX49.2 arc(187.75,13.9) 187.91,13.07 D44.2
Net-(D45-A): length 15.9
  Bottom w0.25: MX51.2 MX50.2 196.39,14.61 arc(195.62,14.45) 194.98,14.02 D45.2
Net-(D46-A): length 13.4
  Bottom w0.25: D46.2 221.25,13.14 arc(221.1,13.91) 220.66,14.56 MX52.2 MX53.2
Net-(D47-A): length 8.6
  Bottom w0.25: D47.2 240.3,13.14 arc(240.15,13.91) 239.71,14.56 MX54.2 MX55.2
Net-(LED1-DOUT): length 17.6
  Bottom w0.25: LED1.1 2.16,20.66 arc(2.46,21.11) 2.57,21.64 LED2.3
Net-(LED2-DOUT): length 17.6
  Bottom w0.25: 2.57,56.23 2.57,40.69 arc(2.46,40.16) 2.16,39.71 1.47,39.02
Net-(LED3-DOUT): length 14.9
  Bottom w0.25: 2.85,72.47 2.05,71.68 arc(1.62,71.03) 1.47,70.27 LED3.1
Net-(LED4-DOUT): length 19.3
  Bottom w0.25: LED5.3 4.98,73.27
Net-(LED5-DOUT): length 20
  Bottom w0.25: LED5.1 26.62,73.85 arc(27.27,73.42) 28.04,73.27 LED6.3
Net-(LED6-DOUT): length 17.6
  Bottom w0.25: LED7.3 49.47,73.27 arc(48.7,73.42) 48.05,73.85 LED6.1
Net-(LED7-DOUT): length 17.6
  Bottom w0.25: LED8.3 68.52,73.27 arc(67.75,73.42) 67.1,73.85 LED7.1
Net-(LED8-DOUT): length 17.7
  Bottom w0.25: LED8.1 85.65,74.37 86.25,73.76 ; LED9.3 87.57,73.27 arc(86.8,73.42) 86.15,73.85
Net-(LED10-DIN): length 17.8
  Bottom w0.25: LED9.1 105.2,73.85 arc(105.85,73.42) 106.62,73.27 119.99,73.27 arc(121.03,73.06) 121.91,72.47
Net-(LED10-DOUT): length 18.1
  Bottom w0.25: LED11.3 124.48,73.27 arc(124.08,73.35) LED10.1
Net-(LED11-DOUT): length 16.8
  Bottom w0.25: LED12.3 145.51,73.27 arc(144.75,73.42) 144.1,73.85 LED11.1
Net-(LED12-DOUT): length 16.8
  Bottom w0.25: LED13.3 163.77,73.27 arc(163,73.42) 162.35,73.85 LED12.1
Net-(LED13-DOUT): length 44.7
  Top w0.25: 197.44,75.13 196.68,75.13 arc(196.68,75.13) v1(196.68,75.13) ; 197.44,75.13 196.91,75.13 ; 197.44,75.13 198.56,75.13 arc(199.24,75) 199.82,74.61 200.61,73.82 200.61,73.82 201.61,72.82 arc(202.26,72.38) 203.03,72.23 207.95,72.23 arc(208.72,72.38) 209.37,72.82 210.58,74.03 arc(211.8,74.84) 213.24,75.13 v1(214.93,75.13)
  Bottom w0.25: LED13.1 180.65,73.82 arc(181.3,73.38) 182.06,73.23 193.47,73.23 arc(194.68,73.47) 195.7,74.15 v1(196.68,75.13) ; LED14.3 215.45,73.27 arc(215.06,73.43) 214.9,73.82 214.9,75.06 arc(214.91,75.1) v1(214.93,75.13)
